# Allegro board parallella_layout.brd
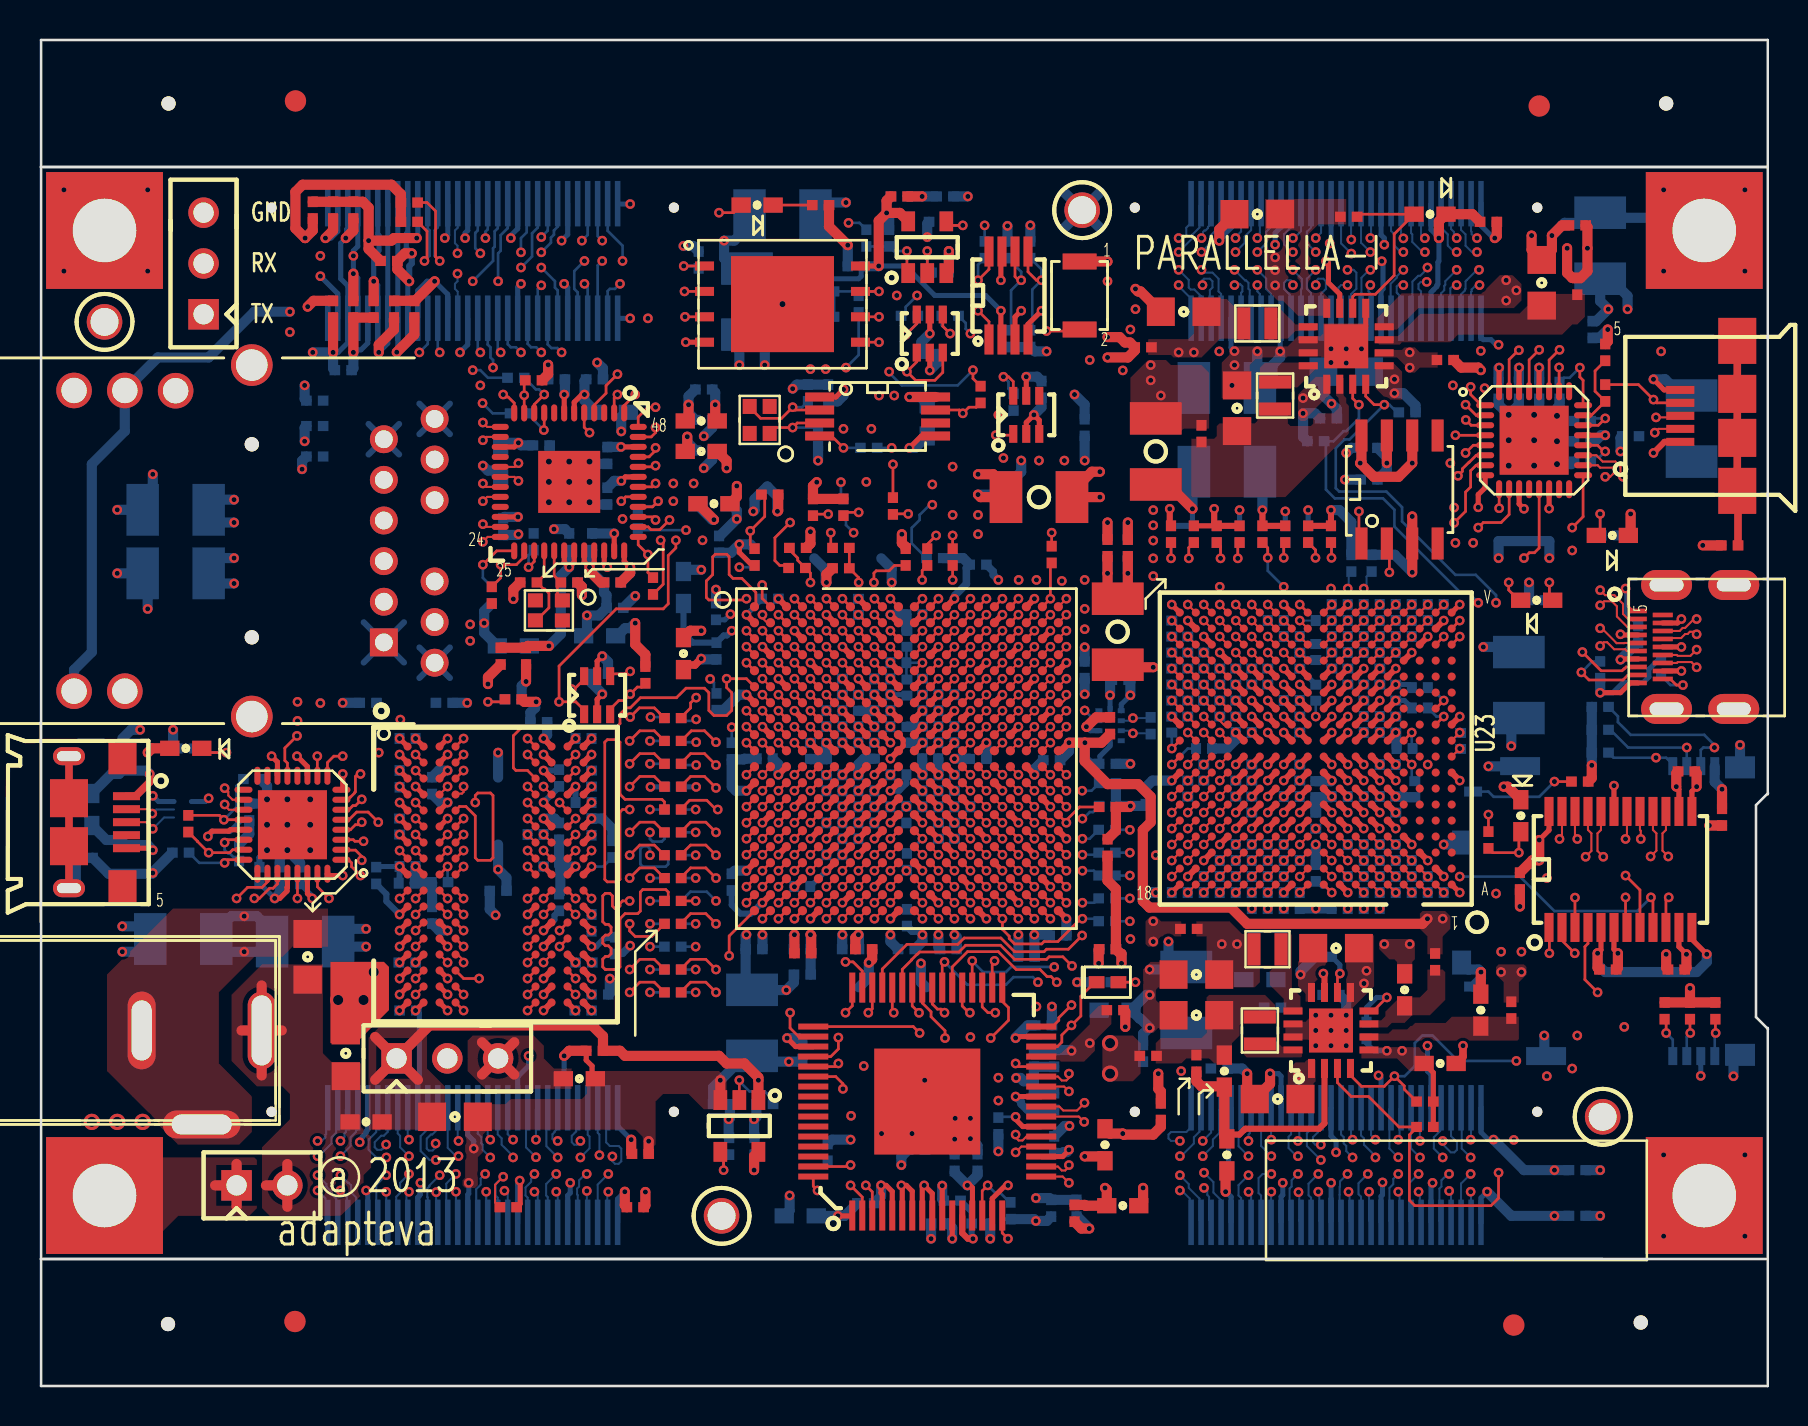
[diagram p0: board, top side]
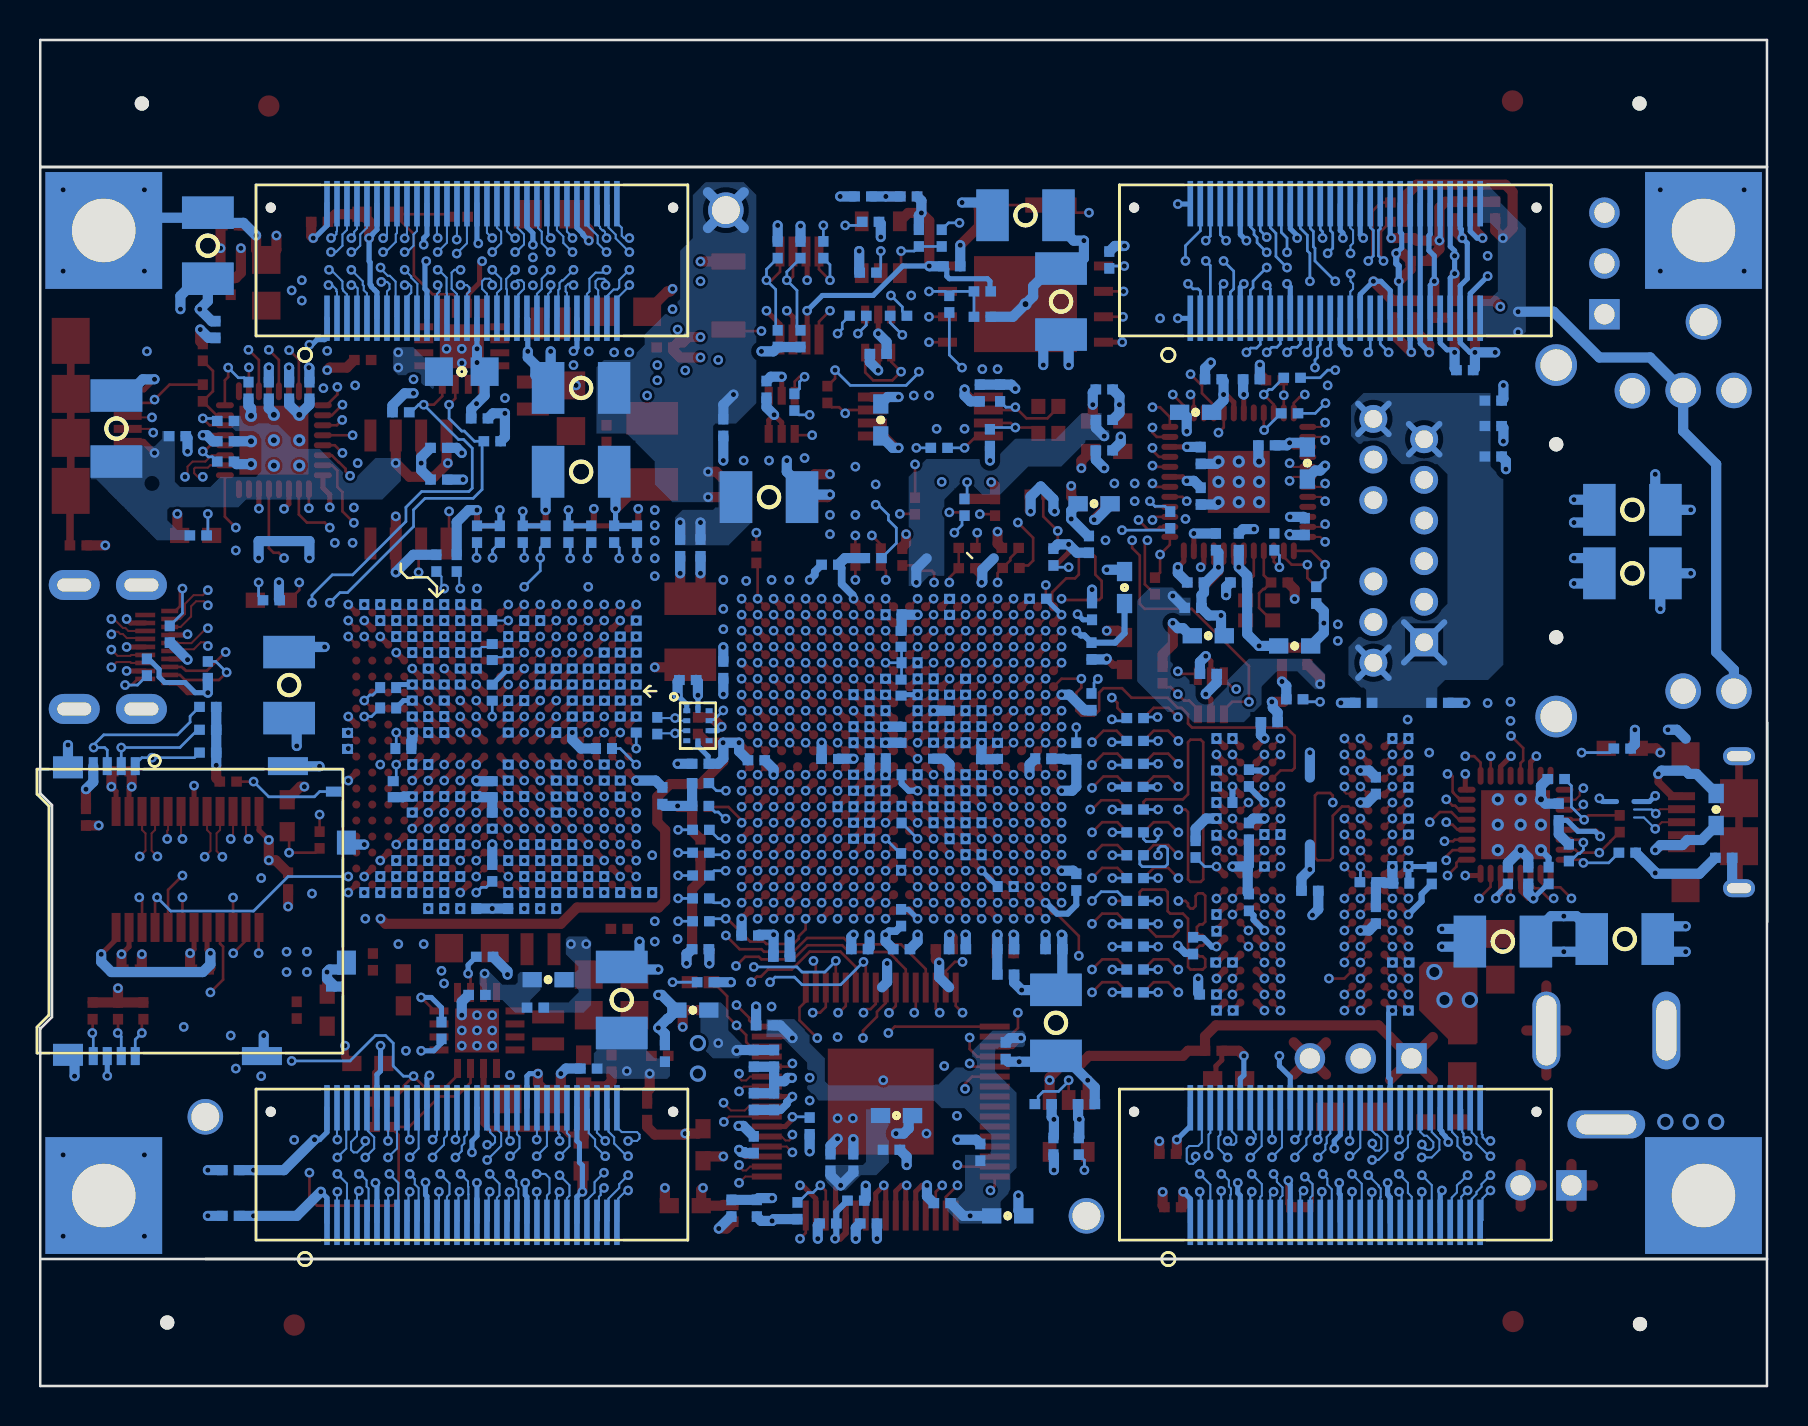
[diagram p1: board, bottom side, seen from below]

Outline 86.43 x 67.31 mm; copper layers: TOP, L2_GND, L3_SIG, L4_GND, L5_SIG, L6_PWR, L7_PWR, L8_SIG, L9_GND, L10_SIG, L11_GND, BOTTOM. Coordinates in mm from the lower left corner of the outline.
Outline path: 0.05,60.96 0.05,67.31 86.41,67.31 86.41,60.96 ; 0.05,60.96 86.41,60.96 ; 0.05,60.96 0.05,6.35 ; 0.05,60.96 86.41,60.96 ; 86.41,60.96 86.41,29.59 ; 0.05,6.35 78.16,6.35 ; 0.05,6.35 0.05,0 86.41,0 86.41,6.35 ; 0.05,6.35 86.41,6.35 ; 86.41,17.91 86.41,6.35

## Design rules (mm)
net group DDR3_A0: nets DDR3_A0 DDR_A0
net group DDR3_A1: nets DDR3_A1 DDR_A1
net group DDR3_A2: nets DDR3_A2 DDR_A2
net group DDR3_A3: nets DDR3_A3 DDR_A3
net group DDR3_A4: nets DDR3_A4 DDR_A4
net group DDR3_A5: nets DDR3_A5 DDR_A5
net group DDR3_A6: nets DDR3_A6 DDR_A6
net group DDR3_A7: nets DDR3_A7 DDR_A7
net group DDR3_A8: nets DDR3_A8 DDR_A8
net group DDR3_A9: nets DDR3_A9 DDR_A9
net group DDR3_A10: nets DDR3_A10 DDR_A10
net group DDR3_A11: nets DDR3_A11 DDR_A11
net group DDR3_A12: nets DDR3_A12 DDR_A12
net group DDR3_A13: nets DDR3_A13 DDR_A13
net group DDR3_A14: nets DDR3_A14 DDR_A14
net group DDR3_BA0: nets DDR3_BA0 DDR_BA0
net group DDR3_BA1: nets DDR3_BA1 DDR_BA1
net group DDR3_BA2: nets DDR3_BA2 DDR_BA2
net group DDR3_CAS_L: nets DDR3_CAS_L DDR_CAS_L
net group DDR3_CKE: nets DDR3_CKE DDR_CKE
net group DDR3_CS_L: nets DDR3_CS_L DDR_CS_L
net group DDR3_ODT: nets DDR3_ODT DDR_ODT
net group DDR3_RAS_L: nets DDR3_RAS_L DDR_RAS_L
net group DDR3_WE_L: nets DDR3_WE_L DDR_WE_L
net group DDR_ADDR_MATCH: nets DDR_CLK_N DDR_CLK_P
net group HDMI_TX0: nets HDMI_TX0_N HDMI_TX0_P
net group HDMI_TX1: nets HDMI_TX1_N HDMI_TX1_P
net group HDMI_TX2: nets HDMI_TX2_N HDMI_TX2_P
net group HDMI_TXC: nets HDMI_TXC_N HDMI_TXC_P
net group P0_USB_D: nets P0_USB_DN P0_USB_DP
net group P1_USB_D: nets P1_USB_DN P1_USB_DP
net group PHY_MDI0: nets PHY_MDI0N PHY_MDI0P
net group PHY_MDI1: nets PHY_MDI1N PHY_MDI1P
net group PHY_MDI2: nets PHY_MDI2N PHY_MDI2P
net group PHY_MDI3: nets PHY_MDI3N PHY_MDI3P
net group RXI_CCLK: nets RXI_CCLK_N RXI_CCLK_P
net group RXI_EA_DATA0: nets RXI_EA_DATA0_N RXI_EA_DATA0_P
net group RXI_EA_DATA1: nets RXI_EA_DATA1_N RXI_EA_DATA1_P
net group RXI_EA_DATA2: nets RXI_EA_DATA2_N RXI_EA_DATA2_P
net group RXI_EA_DATA3: nets RXI_EA_DATA3_N RXI_EA_DATA3_P
net group RXI_EA_DATA4: nets RXI_EA_DATA4_N RXI_EA_DATA4_P
net group RXI_EA_DATA5: nets RXI_EA_DATA5_N RXI_EA_DATA5_P
net group RXI_EA_DATA6: nets RXI_EA_DATA6_N RXI_EA_DATA6_P
net group RXI_EA_DATA7: nets RXI_EA_DATA7_N RXI_EA_DATA7_P
net group RXI_EA_FRAME: nets RXI_EA_FRAME_N RXI_EA_FRAME_P
net group RXI_EA_LCLK: nets RXI_EA_LCLK_N RXI_EA_LCLK_P
net group RXO_EA_RD_WAIT: nets RXO_EA_RD_WAIT_N RXO_EA_RD_WAIT_P
net group RXO_EA_WR_WAIT: nets RXO_EA_WR_WAIT_N RXO_EA_WR_WAIT_P
net group TXI_EA_RD_WAIT: nets TXI_EA_RD_WAIT_N TXI_EA_RD_WAIT_P
net group TXI_EA_WR_WAIT: nets TXI_EA_WR_WAIT_N TXI_EA_WR_WAIT_P
net group TXO_EA_DATA0: nets TXO_EA_DATA0_N TXO_EA_DATA0_P
net group TXO_EA_DATA1: nets TXO_EA_DATA1_N TXO_EA_DATA1_P
net group TXO_EA_DATA2: nets TXO_EA_DATA2_N TXO_EA_DATA2_P
net group TXO_EA_DATA3: nets TXO_EA_DATA3_N TXO_EA_DATA3_P
net group TXO_EA_DATA4: nets TXO_EA_DATA4_N TXO_EA_DATA4_P
net group TXO_EA_DATA5: nets TXO_EA_DATA5_N TXO_EA_DATA5_P
net group TXO_EA_DATA6: nets TXO_EA_DATA6_N TXO_EA_DATA6_P
net group TXO_EA_DATA7: nets TXO_EA_DATA7_N TXO_EA_DATA7_P
net group TXO_EA_FRAME: nets TXO_EA_FRAME_N TXO_EA_FRAME_P
net group VADC: nets VADC_N VADC_P
net group CONNECTOR1_MATCH: nets RXI_NO_DATA0_N RXI_NO_DATA0_P RXI_NO_DATA1_N RXI_NO_DATA1_P RXI_NO_DATA2_N RXI_NO_DATA2_P RXI_NO_DATA3_N RXI_NO_DATA3_P RXI_NO_DATA4_N RXI_NO_DATA4_P RXI_NO_DATA5_N RXI_NO_DATA5_P RXI_NO_DATA6_N RXI_NO_DATA6_P RXI_NO_DATA7_N RXI_NO_DATA7_P RXI_NO_FRAME_N RXI_NO_FRAME_P RXI_NO_LCLK_N RXI_NO_LCLK_P RXO_NO_RD_WAIT_N RXO_NO_RD_WAIT_P RXO_NO_WR_WAIT_N RXO_NO_WR_WAIT_P TXI_NO_RD_WAIT_N TXI_NO_RD_WAIT_P TXI_NO_WR_WAIT_N TXI_NO_WR_WAIT_P TXO_NO_DATA0_N TXO_NO_DATA0_P TXO_NO_DATA1_N TXO_NO_DATA1_P TXO_NO_DATA2_N TXO_NO_DATA2_P TXO_NO_DATA3_N TXO_NO_DATA3_P TXO_NO_DATA4_N TXO_NO_DATA4_P TXO_NO_DATA5_N TXO_NO_DATA5_P TXO_NO_DATA6_N TXO_NO_DATA6_P TXO_NO_DATA7_N TXO_NO_DATA7_P TXO_NO_FRAME_N TXO_NO_FRAME_P TXO_NO_LCLK_N TXO_NO_LCLK_P
net group CONNECTOR2_MATCH: nets RXI_SO_DATA0_N RXI_SO_DATA0_P RXI_SO_DATA1_N RXI_SO_DATA1_P RXI_SO_DATA2_N RXI_SO_DATA2_P RXI_SO_DATA3_N RXI_SO_DATA3_P RXI_SO_DATA4_N RXI_SO_DATA4_P RXI_SO_DATA5_N RXI_SO_DATA5_P RXI_SO_DATA6_N RXI_SO_DATA6_P RXI_SO_DATA7_N RXI_SO_DATA7_P RXI_SO_FRAME_N RXI_SO_FRAME_P RXI_SO_LCLK_N RXI_SO_LCLK_P RXO_SO_RD_WAIT_N RXO_SO_RD_WAIT_P RXO_SO_WR_WAIT_N RXO_SO_WR_WAIT_P TXI_SO_RD_WAIT_N TXI_SO_RD_WAIT_P TXI_SO_WR_WAIT_N TXI_SO_WR_WAIT_P TXO_SO_DATA0_N TXO_SO_DATA0_P TXO_SO_DATA1_N TXO_SO_DATA1_P TXO_SO_DATA2_N TXO_SO_DATA2_P TXO_SO_DATA3_N TXO_SO_DATA3_P TXO_SO_DATA4_N TXO_SO_DATA4_P TXO_SO_DATA5_N TXO_SO_DATA5_P TXO_SO_DATA6_N TXO_SO_DATA6_P TXO_SO_DATA7_N TXO_SO_DATA7_P TXO_SO_FRAME_N TXO_SO_FRAME_P TXO_SO_LCLK_N TXO_SO_LCLK_P
net group CONNECTOR3_MATCH: nets GPIO0_N GPIO0_P GPIO1_N GPIO1_P GPIO2_N GPIO2_P GPIO3_N GPIO3_P GPIO4_N GPIO4_P GPIO5_N GPIO5_P GPIO6_N GPIO6_P GPIO7_N GPIO7_P GPIO8_N GPIO8_P GPIO9_N GPIO9_P GPIO10_N GPIO10_P GPIO11_N GPIO11_P GPIO12_N GPIO12_P GPIO13_N GPIO13_P GPIO14_N GPIO14_P GPIO15_N GPIO15_P GPIO16_N GPIO16_P GPIO17_N GPIO17_P GPIO18_N GPIO18_P GPIO19_N GPIO19_P GPIO20_N GPIO20_P GPIO21_N GPIO21_P GPIO22_N GPIO22_P GPIO23_N GPIO23_P
net group DDR_DATA_0: nets DDR_DM0 DDR_DQ0 DDR_DQ1 DDR_DQ2 DDR_DQ3 DDR_DQ4 DDR_DQ5 DDR_DQ6 DDR_DQ7 DDR_DQS_N0 DDR_DQS_P0
net group DDR_DATA_1: nets DDR_DM1 DDR_DQ8 DDR_DQ9 DDR_DQ10 DDR_DQ11 DDR_DQ12 DDR_DQ13 DDR_DQ14 DDR_DQ15 DDR_DQS_N1 DDR_DQS_P1
net group DDR_DATA_2: nets DDR_DM2 DDR_DQ16 DDR_DQ17 DDR_DQ18 DDR_DQ19 DDR_DQ20 DDR_DQ21 DDR_DQ22 DDR_DQ23 DDR_DQS_N2 DDR_DQS_P2
net group DDR_DATA_3: nets DDR_DM3 DDR_DQ24 DDR_DQ25 DDR_DQ26 DDR_DQ27 DDR_DQ28 DDR_DQ29 DDR_DQ30 DDR_DQ31 DDR_DQS_N3 DDR_DQS_P3
nets with their own width: min track width 0.508; nets VDD_GPIO

## Placement (name value [footprint] x y rotation side)
C7  0.1UF  [C0402]  27.99 35.61 270 bottom
C9  0.1UF  [C0402]  44.5 51.61 90 bottom
C10  0.1UF  [C0402]  40.82 55.99 270 bottom
C11  0.1UF  [C0402]  84.13 28.45 180 top
C12  100uF  [C1210]  73.97 35.05 0 bottom
C13  4.7UF  [C0402#2]  38.53 31.76 90 bottom
C14  0.47UF  [C0402#2]  39.73 29.77 0 bottom
C15  0.47UF  [C0402#2]  39.73 26.57 0 bottom
C16  0.1UF  [C0402]  33.84 36.75 180 bottom
C17  100uF  [C1210]  6.78 43.81 90 bottom
C18  4.7UF  [C0402#2]  42.13 32.97 0 bottom
C19  4.7UF  [C0402#2]  43.73 38.57 0 bottom
C20  0.47UF  [C0402#2]  44.54 28.97 0 bottom
C21  0.47UF  [C0402]  46.92 41.07 270 bottom
C22  0.47UF  [C0402#2]  41.33 29.77 0 bottom
C23  10nF  [C0402#2]  43.36 34.92 270 bottom
C24  0.1UF  [C0402]  39.42 49.66 0 bottom
C25  0.1UF  [C0402]  13.74 48.01 90 bottom
C26  0.1UF  [C0402]  20.22 34.16 270 bottom
C27  0.1UF  [C0402]  13.74 46.48 90 bottom
C28  0.1UF  [C0402]  16.41 34.16 90 bottom
C31  0.1UF  [C0402]  50.09 49.83 0 bottom
C32  0.1UF  [C0402]  27.74 50.34 270 bottom
C33  10UF  [C0603]  28.63 48.69 270 bottom
C34  10UF  [C0603]  33.07 48.26 90 top
C35  0.1UF  [C0402]  33.2 49.83 270 bottom
C36  0.1UF  [C0402]  26.47 40.18 270 bottom
C37  0.1UF  [C0402]  26.47 42.21 0 bottom
C38  10UF  [C0603]  23.68 37.01 90 bottom
C39  0.1UF  [C0402]  24.31 36.5 0 top
C40  10UF  [C0603]  33.07 46.74 90 top
C41  0.1UF  [C0402]  25.83 50.34 90 bottom
C42  0.1UF  [C0402]  28.37 46.53 180 bottom
C43  0.1UF  [C0402]  28.37 44.5 180 bottom
C44  0.1UF  [C0402]  27.61 42.21 0 bottom
C45  0.1UF  [C0402]  28.63 40.18 270 bottom
C46  0.1UF  [C0402]  23.17 42.98 180 bottom
C47  0.1UF  [C0402]  25.07 47.04 270 bottom
C48  10UF  [C0603]  23.04 46.15 180 bottom
C49  10UF  [C0603]  27.99 37.52 270 bottom
C50  0.1UF  [C0402]  28.63 40.18 90 top
C51  0.1UF  [C0402]  79.56 47.5 90 bottom
C52  0.1UF  [C0402]  66.47 45.33 90 bottom
C53  10UF  [C0603]  44.38 48.31 180 bottom
C54  6pF  [C0402]  38.92 47.42 180 bottom
C55  0.1UF  [C0402]  73.97 49.78 180 bottom
C56  0.1UF  [C0402]  74.98 49.78 180 bottom
C57  2.2UF  [C0402]  77.14 46.23 90 bottom
C58  0.1UF  [C0402]  44.99 8.13 90 bottom
C59  0.1UF  [C0402]  77.14 47.24 90 bottom
C60  0.1UF  [C0402]  72.95 49.78 180 bottom
C61  6pF  [C0402]  38.41 49.66 0 bottom
C62  6pF  [C0402]  26.47 40.18 90 top
C63  4.7UF  [C0603]  2.59 28.83 180 bottom
C64  0.1UF  [C0402]  10.98 25.53 0 bottom
C65  0.1UF  [C0402]  11.99 25.53 0 bottom
C66  2.2UF  [C0402]  10.59 30.35 270 bottom
C67  0.1UF  [C0402]  41.3 9.14 270 bottom
C68  0.1UF  [C0402]  10.47 28.7 0 bottom
C69  0.1UF  [C0402]  13.01 25.53 0 bottom
C70  100uF  [C1210]  7.17 22.35 270 bottom
C71  100uF  [C1210]  13.26 22.23 90 bottom
C72  4.7UF  [C0402]  34.6 25.2 180 bottom
C73  4.7UF  [C0402]  25.96 30.4 0 bottom
C74  4.7UF  [C0402#2]  36.25 31.37 180 bottom
C75  0.47UF  [C0402]  36.51 39.37 90 bottom
C76  0.47UF  [C0402#2]  38.13 24.98 0 bottom
C77  0.47UF  [C0402]  28.76 22.02 0 bottom
C78  0.47UF  [C0402]  33.81 38.73 180 bottom
C79  0.47UF  [C0402]  19.61 23.55 0 bottom
C80  0.47UF  [C0402]  31.68 29.96 90 bottom
C81  0.47UF  [C0402]  19.61 30.02 0 bottom
C82  10nF  [C0402#2]  39.73 28.17 0 bottom
C83  0.1UF  [C0402#2]  39.73 33.77 180 bottom
C84  100uF  [C1210]  82.6 47.88 0 bottom
C85  6pF  [C0402]  24.44 40.18 270 top
C95  10nF  [C0402]  28.63 26.85 0 bottom
C96  0.1UF  [C0402#2]  18.39 25.98 180 bottom
C97  4.7UF  [C0402]  27.59 27.96 0 bottom
C98  4.7UF  [C0402#2]  17.99 27.98 90 bottom
C99  4.7UF  [C0402]  24.95 33.2 270 bottom
C100  0.47UF  [C0402#2]  27.19 29.18 0 bottom
C101  0.47UF  [C0402#2]  27.59 30.38 270 bottom
C102  0.47UF  [C0402#2]  27.19 32.38 180 bottom
C103  0.47UF  [C0402#2]  18.39 32.38 0 bottom
C104  0.047UF  [C0402]  18.37 21.18 90 bottom
C105  0.047UF  [C0402]  17.99 30.36 180 bottom
C106  0.047UF  [C0402]  27.59 23.16 180 bottom
C107  0.047UF  [C0402]  25.96 27.74 180 bottom
C108  0.047UF  [C0402]  22.91 24.77 270 bottom
C109  0.047UF  [C0402]  18.4 18.78 270 bottom
C110  0.047UF  [C0402]  25.96 24.18 0 bottom
C111  0.047UF  [C0402]  27.2 21.18 270 bottom
C112  0.047UF  [C0402]  28.01 19.58 270 bottom
C113  0.047UF  [C0402]  27.17 18.78 90 bottom
C126  0.47UF  [C0402]  14.66 53.85 180 top
C127  0.47UF  [C0402]  56.06 13.72 0 top
C128  0.47UF  [C0402]  49.33 21.46 270 bottom
C129  0.47UF  [C0402]  53.39 21.84 90 top
C130  0.47UF  [C0402]  43.36 23.42 180 bottom
C131  4.7UF  [C0402]  55.3 29.51 0 bottom
C132  4.7UF  [C0402]  53.39 26.92 0 top
C133  4.7UF  [C0402]  50.92 22.53 90 bottom
C134  100uF  [C1210]  57.33 19.3 0 bottom
C135  0.47UF  [C0402]  54.41 41.91 180 bottom
C136  0.47UF  [C0402]  53.39 41.91 0 top
C137  0.47UF  [C0402]  50.6 31.29 90 bottom
C138  0.47UF  [C0402]  54.41 41.91 0 top
C139  0.47UF  [C0402]  53.39 41.91 180 bottom
C140  4.7UF  [C0402]  46.92 31.36 270 bottom
C141  4.7UF  [C0402]  52.25 35.81 180 bottom
C142  4.7UF  [C0402]  53.39 31.12 270 bottom
C143  100uF  [C1210]  49.96 44.45 90 bottom
C144  0.1UF  [C0402]  50.73 14.22 0 bottom
C145  0.1UF  [C0402]  50.73 12.07 0 bottom
C149  4.7UF  [C0402#2]  45.74 27.77 90 bottom
C150  4.7UF  [C0402]  38.15 21.64 90 top
C151  4.7UF  [C0402]  52.25 47.93 180 bottom
C152  4.7UF  [C0402]  43.33 21.84 270 bottom
C153  4.7UF  [C0402]  45.43 21.84 270 bottom
C154  0.47UF  [C0402]  40.54 21.84 270 bottom
C155  0.47UF  [C0402]  35.71 21.84 270 bottom
C156  0.47UF  [C0402]  38.13 21.84 270 bottom
C157  0.47UF  [C0402#2]  45.74 30.17 270 bottom
C158  0.47UF  [C0402#2]  46.14 28.97 0 bottom
C159  0.47UF  [C0402#2]  45.34 32.97 180 bottom
C160  0.47UF  [C0402#2]  45.34 32.17 0 bottom
C162  4.7UF  [C0402#2]  43.36 32.56 270 bottom
C164  0.47UF  [C0402#2]  44.54 30.57 0 bottom
C165  0.47UF  [C0402#2]  42.13 28.97 0 bottom
C168  100uF  [C1210]  59.36 49.91 270 bottom
C169  4.7UF  [C0402#2]  42.13 33.77 180 bottom
C170  0.47UF  [C0402#2]  40.53 30.57 0 bottom
C171  0.47UF  [C0402#2]  44.14 34.97 90 bottom
C172  10UF  [C0603]  33.71 44.12 90 top
C173  100uF  [C1210]  59.36 45.72 90 bottom
C174  4.7UF  [C0402]  33.96 42.09 180 bottom
C175  4.7UF  [C0402#2]  44.52 31.37 0 bottom
C176  0.47UF  [C0402#2]  42.13 34.57 0 bottom
C177  0.47UF  [C0402#2]  44.14 32.57 270 bottom
C178  0.47UF  [C0402#2]  40.53 32.17 180 bottom
C179  100uF  [C1210]  37.14 58.55 90 bottom
C180  4.7UF  [C0402#2]  40.53 28.97 0 bottom
C181  4.7UF  [C0402#2]  40.13 34.97 90 bottom
C182  4.7UF  [C0402]  38.13 20.57 270 bottom
C183  0.47UF  [C0402#2]  44.54 33.77 180 bottom
C184  0.47UF  [C0402#2]  40.53 27.37 0 bottom
C185  0.47UF  [C0402#2]  44.54 29.77 180 bottom
C186  0.47UF  [C0402#2]  40.53 32.97 0 bottom
C187  0.47UF  [C0402#2]  41.33 28.17 0 bottom
C188  0.47UF  [C0402]  76.89 58.04 270 top
C189  0.47UF  [C0402]  74.02 25.25 0 top
C190  0.47UF  [C0402]  41.2 21.84 270 top
C191  0.47UF  [C0402]  15.17 50.8 270 bottom
C192  4.7UF  [C0402]  53.39 21.84 270 bottom
C193  4.7UF  [C0402]  34.09 14.1 90 bottom
C194  100uF  [C1210]  6.78 40.64 90 bottom
C195  100uF  [C1210]  53.9 37.72 180 top
C196  0.1UF  [C0402]  50.73 16.38 180 bottom
C197  0.1UF  [C0402#2]  63.81 29.84 90 bottom
C198  10nF  [C0402#2]  61.41 35.48 270 bottom
C199  0.1UF  [C0402#2]  59.81 35.48 270 bottom
C200  10nF  [C0402#2]  59.81 33.88 270 bottom
C201  0.1UF  [C0402#2]  65.41 35.48 270 bottom
C202  10nF  [C0402#2]  67.01 35.48 270 bottom
C203  0.1UF  [C0402#2]  67.81 34.68 270 bottom
C204  10nF  [C0402#2]  67.81 33.08 270 bottom
C205  0.1UF  [C0402#2]  67.41 31.08 180 bottom
C206  10nF  [C0402#2]  67.81 29.08 270 bottom
C207  0.1UF  [C0402#2]  66.61 29.48 0 bottom
C208  10nF  [C0402#2]  65.01 29.48 0 bottom
C209  0.1UF  [C0402#2]  59.81 29.88 270 bottom
C210  10nF  [C0402#2]  60.21 32.68 0 bottom
C211  0.1UF  [C0402#2]  60.61 29.08 270 bottom
C212  10nF  [C0402#2]  62.61 29.48 0 bottom
C213  0.1UF  [C0402#2]  66.61 33.48 0 bottom
C214  100uF  [C1210]  49.96 44.45 270 top
C215  0.1UF  [C0402#2]  62.61 34.28 180 bottom
C216  100uF  [C1210]  35.61 18.16 180 bottom
C217  0.1UF  [C0402#2]  60.61 35.48 90 bottom
C218  100uF  [C1210]  55.81 46.74 0 top
C219  0.1UF  [C0402#2]  66.21 34.68 270 bottom
C221  0.1UF  [C0402#2]  60.61 30.68 270 bottom
C223  0.1UF  [C0402#2]  63.01 30.68 90 bottom
C225  0.1UF  [C0402#2]  63.01 33.08 90 bottom
C227  0.1UF  [C0402#2]  66.61 32.68 180 bottom
C230  10nF  [C0402]  50.19 18.03 270 bottom
C231  10nF  [C0402]  38.13 16.76 180 bottom
C232  10UF  [C0603]  38.03 8.51 90 bottom
C233  10nF  [C0402]  50.57 8.89 180 bottom
C234  10nF  [C0402]  49.71 14.22 0 bottom
C235  10UF  [C0603]  53.27 12.07 180 top
C236  6800PF  [C0805]  13.39 21.46 180 top
C237  6800PF  [C0805]  15.29 16.64 180 top
C238  10UF  [C0805]  20.75 13.46 90 top
C239  0.1UF  [C0402]  78.41 20.83 90 top
C241  10UF  [C0805]  61.9 14.35 270 top
C242  0.047UF  [C0402]  57.84 16.13 0 top
C243  10UF  [C0805]  57.84 18.54 270 top
C244  0.047UF  [C0402]  61.65 18.92 270 bottom
C245  10UF  [C0805]  57.84 20.57 270 top
C247  10UF  [C0805]  60.89 58.6 270 top
C248  10UF  [C0805]  59.87 48.89 180 top
C250  10UF  [C0805]  57.2 53.72 270 top
C251  1UF  [C0603]  72.06 18.8 180 top
C252  1UF  [C0603]  68.25 19.81 180 top
C253  10UF  [C0805]  64.82 21.89 90 top
C254  1UF  [C0603]  70.03 16.13 90 top
C255  10UF  [C0805]  65.33 50.72 90 bottom
C256  10UF  [C0805]  75.11 55.17 180 top
C257  10UF  [C0603]  53.77 18.8 270 bottom
C258  0.1UF  [C0402]  81.84 20.83 270 top
C259  0.1UF  [C0402]  42.98 59.49 270 top
C260  0.1UF  [C0402]  84.51 42.04 270 top
C261  0.1UF  [C0402]  2.21 26.42 270 bottom
C262  10nF  [C0402]  49.71 16.38 180 bottom
C263  0.1UF  [C0402]  45.75 11.18 0 bottom
C264  0.1UF  [C0402]  47.02 8.13 270 bottom
C265  10nF  [C0402]  45.62 9.27 90 bottom
C266  10nF  [C0402]  46.89 11.18 0 bottom
C267  10UF  [C0603]  43.59 13.53 90 bottom
C268  0.47UF  [C0402]  30.03 11.61 90 top
C269  0.47UF  [C0402]  29.77 8.94 90 top
C270  0.47UF  [C0402]  76.89 8.51 270 bottom
C271  0.47UF  [C0402]  76.89 10.79 270 bottom
C272  0.47UF  [C0402]  72.44 58.22 270 top
C273  0.47UF  [C0402]  77.65 52.83 180 bottom
C274  0.47UF  [C0402]  64.44 48.39 270 bottom
C275  0.47UF  [C0402]  17.45 56.26 270 top
C276  0.47UF  [C0402]  17.71 53.85 180 top
C277  0.47UF  [C0402]  18.72 53.85 180 top
C278  0.47UF  [C0402]  16.69 53.85 0 top
C279  0.47UF  [C0402]  66.47 46.91 90 bottom
C281  100uF  [C1210]  78.03 57.02 0 bottom
C282  4.7UF  [C0402#2]  45.34 34.57 180 bottom
C283  0.47UF  [C0402#2]  44.94 27.77 270 bottom
C284  4.7UF  [C0402]  58.98 15.88 270 bottom
C285  0.47UF  [C0402]  55.17 16.64 0 bottom
C286  100uF  [C1210]  35.36 54.23 0 bottom
C287  4.7UF  [C0603]  26.98 15.37 90 top
C288  0.1UF  [C0402]  35.74 11.99 180 bottom
C289  0.1UF  [C0402]  82.35 30.73 270 top
C290  0.1UF  [C0402]  45.27 59.49 90 bottom
C291  0.1UF  [C0402]  42.98 59.49 270 bottom
C292  0.47UF  [C0402]  15.67 53.85 0 top
C293  0.47UF  [C0402]  15.67 58.8 180 top
C294  0.47UF  [C0402]  14.66 58.8 180 top
C295  0.47UF  [C0402]  13.64 58.8 180 top
C296  10UF  [C0603]  54.16 9.02 90 top
C297  0.1UF  [C0402]  53.52 33.02 0 top
C298  0.1UF  [C0402]  54.03 35.31 270 bottom
C307  0.47UF  [C0402#2]  40.93 34.17 270 bottom
CR1  RED  [LED_0603]  74.06 28.52 180 top
CR4  GREEN  [LED_0603]  78.64 42.54 270 top
CR5  RED  [LED_0603]  74.86 39.29 90 top
CR6  GREEN  [LED_0603]  7.29 31.89 90 top
CR8  GREEN  [LED_0603]  69.52 58.6 270 top
CR10  GREEN  [LED_0603]  35.87 59.05 270 top
D1  2mA_75V  [SOD-523]  53.39 20.19 0 top
F1  4A  [F0603]  16.31 13.21 90 top
FB1  120-OHM_3A  [BEAD_0603]  32.18 36.63 0 top
FB2  120-OHM_3A  [BEAD_0603]  32.18 39.93 180 bottom
FB3  120-OHM@100MHz  [FBEAD_0402]  13.74 49.28 90 bottom
FB4  120-OHM@100MHz  [FBEAD_0402]  33.2 48.31 90 bottom
FB5  120-OHM@100MHz  [FBEAD_0402]  23.04 36.5 0 top
FB6  120-OHM@100MHz  [FBEAD_0402]  33.2 46.79 90 bottom
FB7  120-OHM@100MHz  [FBEAD_0402]  28.76 38.91 270 bottom
FB12  120-OHM_3A  [BEAD_0603]  33.71 44.12 90 bottom
FB14  120-OHM@100MHz  [FBEAD_0402]  39.4 11.68 180 bottom
FB15  120-OHM@100MHz  [FBEAD_0402]  51.84 8.89 0 bottom
FB16  120-OHM@100MHz  [FBEAD_0402]  53.77 18.8 90 top
FB17  120-OHM@100MHz  [FBEAD_0402]  43.84 11.81 270 bottom
FB18  120-OHM@100MHz  [FBEAD_0402]  51.74 8.64 180 top
J2  -  [HDR_1X3_TH_VER]  8.18 53.59 90 top
J3  MicroSD_CARD  [SDMICRO_8PIN_REV_15SQX1P51MMH]  71.43 23.75 270 bottom
J5  RJ-45  [RJ45_17PINS_2LED]  17.2 37.19 90 top
J6  USB_MICRO_AB_RA  [USB_MICRO5P_5X7X3P07MMH]  84.89 48.51 180 top
J7  USB_MICRO_B_RA  [USB_MICROB_5P05X7P86X3P1MMH_R]  1.45 28.19 270 top
J8  BSH-030-01-F-D-A  [CONN_BSH60P_13P59X25P88_P5P_V]  64.82 11.05 180 bottom
J9  BSH-030-01-F-D-A  [CONN_BSH60P_13P59X25P88_P5P_V]  64.82 56.26 180 bottom
J10  HDMI_MICRO_D_RA  [HDMI_MICRO19_6P5X7P5X2P9H_P4P]  86.41 36.96 90 top
J11  BSH-030-01-F-D-A  [CONN_BSH60P_13P59X25P88_P5P_V]  21.64 11.05 180 bottom
J12  PJ-002A  [DC_PWR_JCK_9X14P4X11MMH]  11.09 17.78 180 top
J13  BSH-030-01-F-D-A  [CONN_BSH60P_13P59X25P88_P5P_V]  21.64 56.26 180 bottom
J14  -  [HDR_1X3_TH_VER]  17.83 16.38 0 top
J15  -  [HDR_1X2_TH_VER]  9.83 10.03 0 top
L8  1.5uH  [IND2_2X2P5X1P2MMH]  61.01 17.78 90 top
L9  1.5uH  [IND2_2X2P5X1P2MMH]  61.39 21.84 180 top
L10  1.5uH  [IND2_2X2P5X1P2MMH]  60.89 53.14 180 top
L11  1.5uH  [IND2_2X2P5X1P2MMH]  61.78 49.53 270 top